# Altium PCB MyNixie.PcbDoc (part 1 of 2)
Units mm, origin at the board's own origin, x right, y up, seen from the top; angles counter-clockwise.
Board outline 180 x 70 mm, 2 copper layers (Top Layer, Bottom Layer); 216 components, 191 nets, 697 pads, 230 vias.
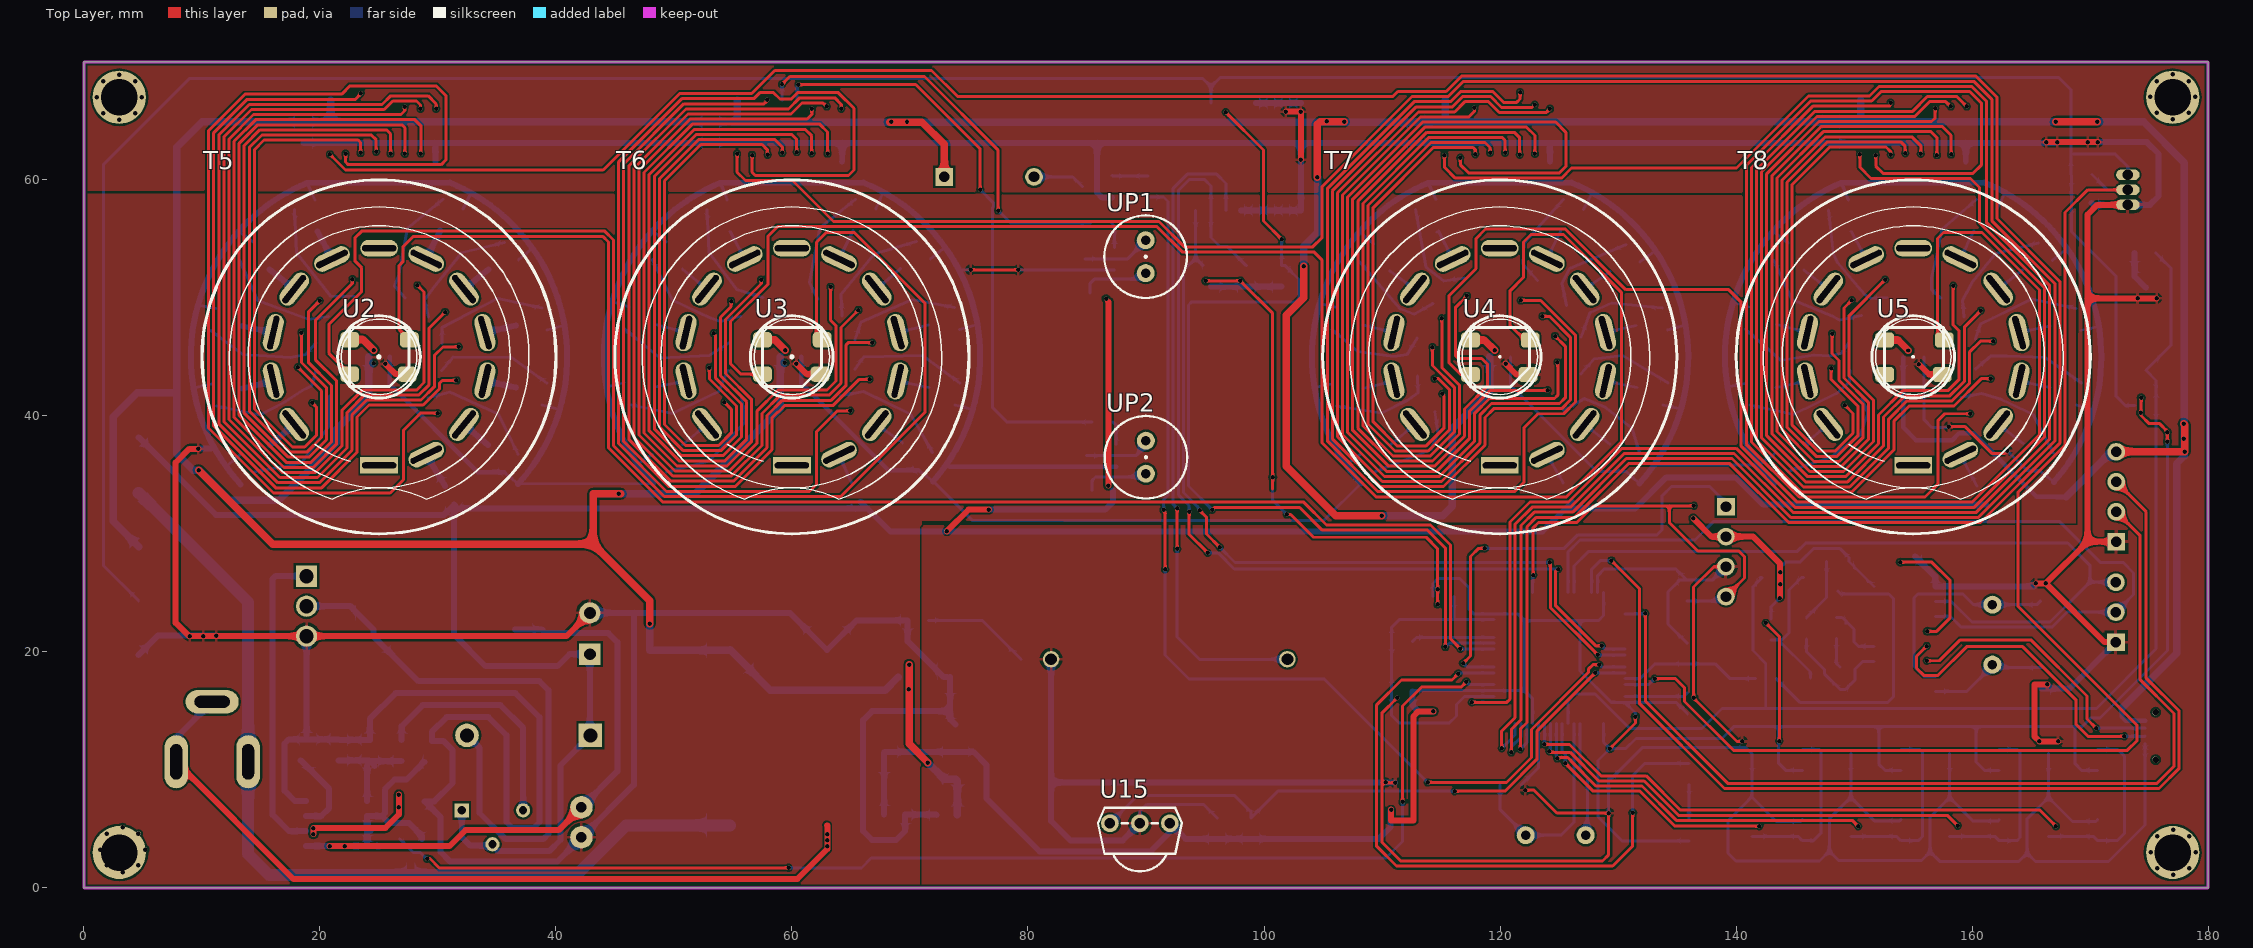
[diagram p0: Top Layer view]
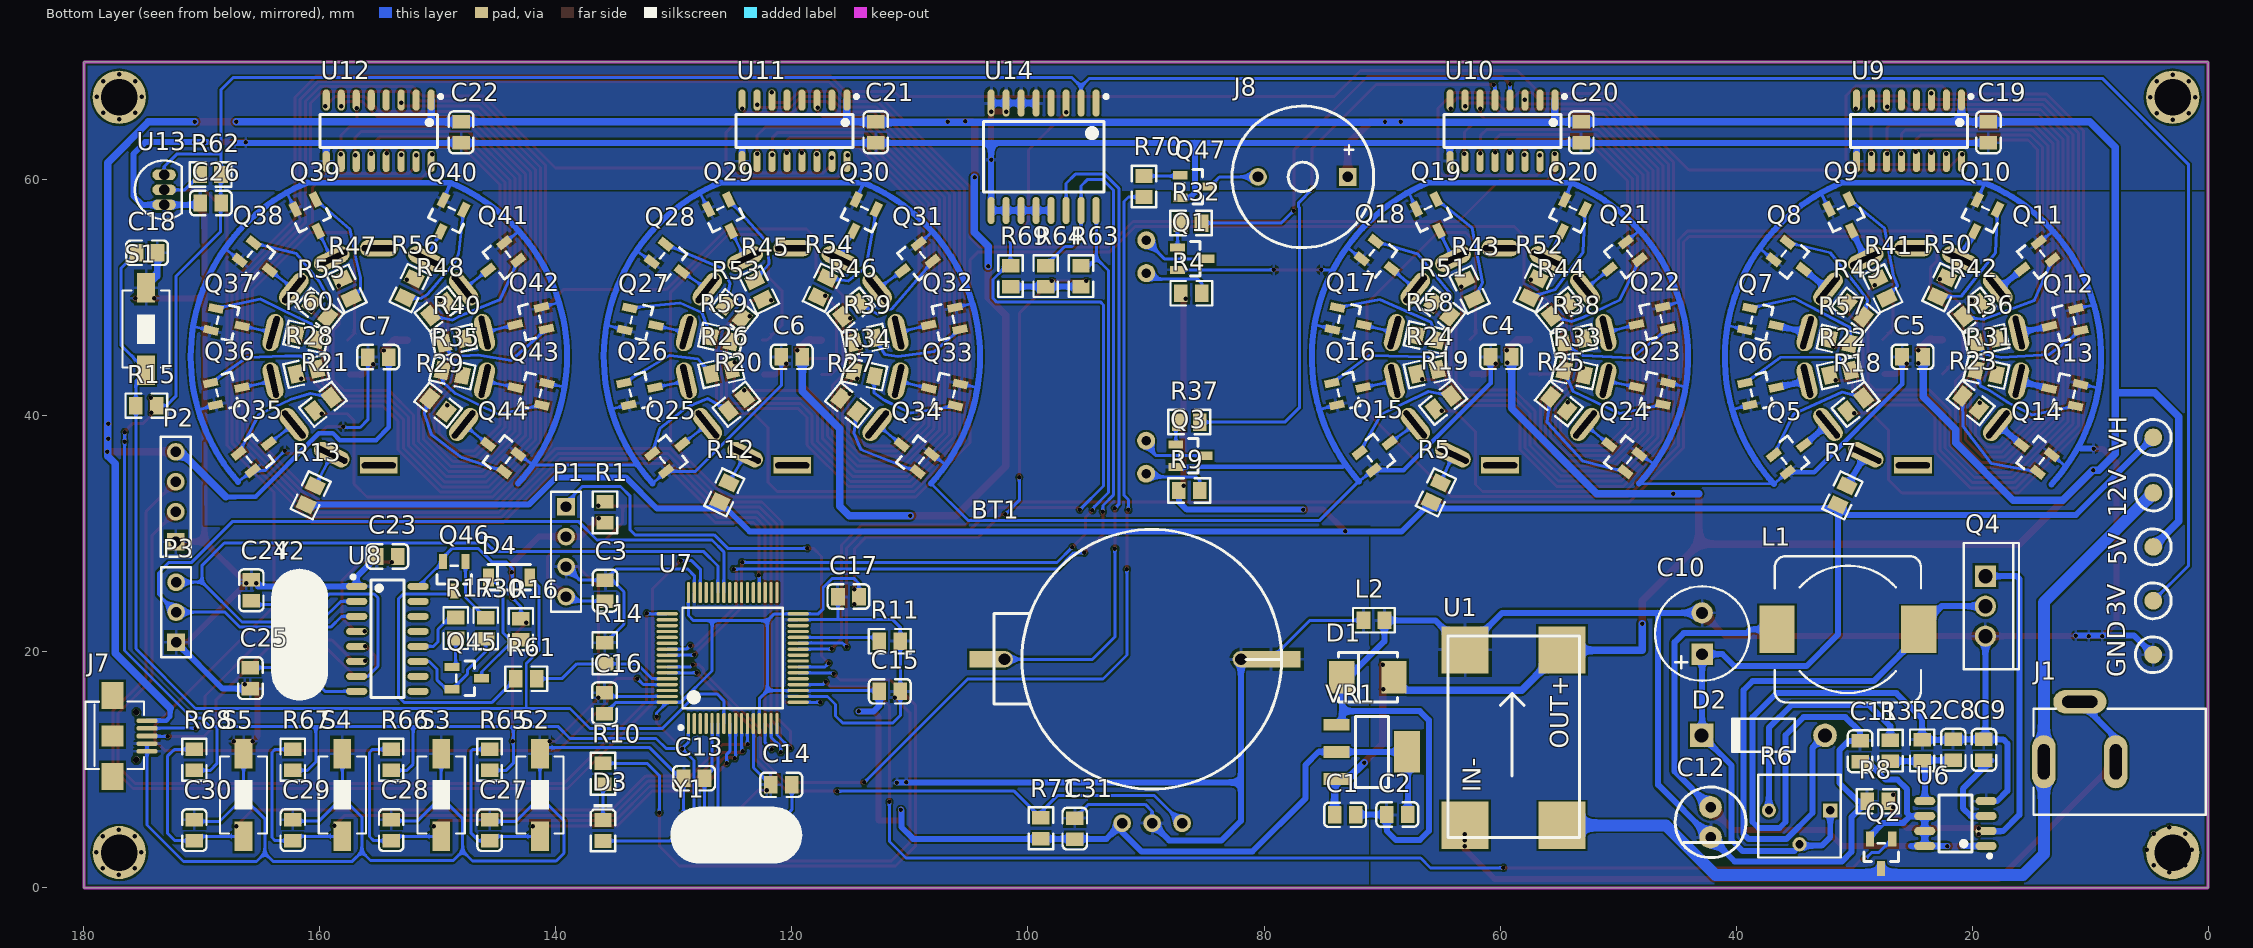
[diagram p1: Bottom Layer view, seen from below]
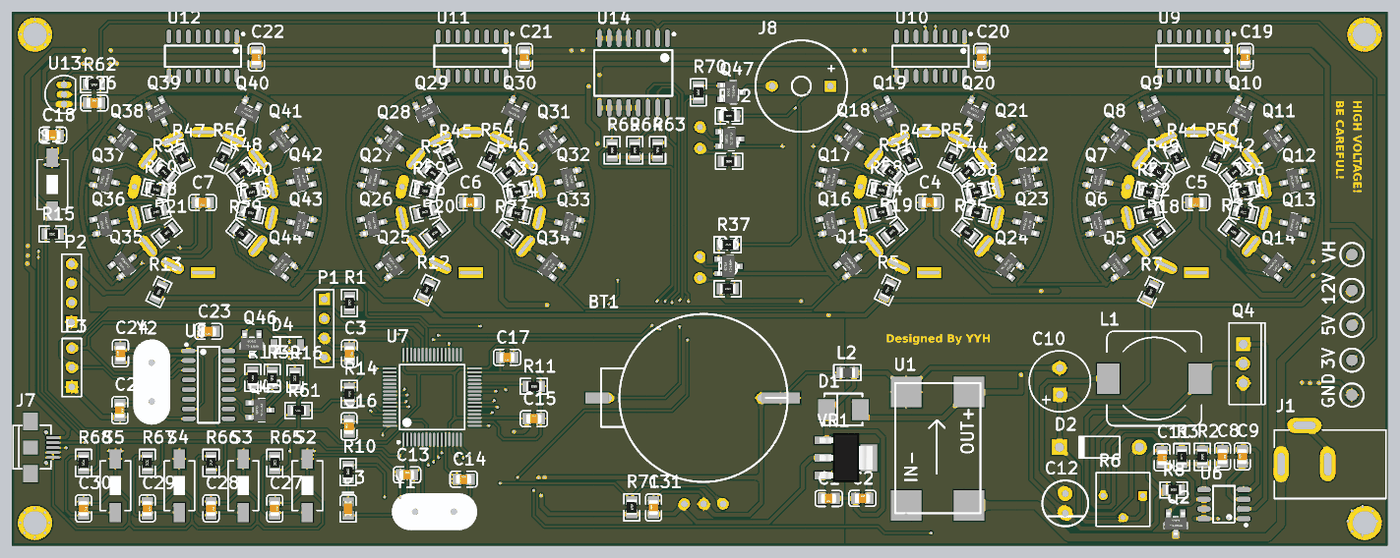
[diagram p3: 3D render of the assembled board from below, using the file's embedded part models]

## Layer stack, top to bottom
Top Solder: solder mask 0.0102, Solder Resist, Dk 3.5
Top Layer: signal copper 0.0356
Dielectric 1: dielectric 0.32, FR-4, Dk 4.8
Bottom Layer: signal copper 0.0356
Bottom Solder: solder mask 0.0102, Solder Resist, Dk 3.5

## Board outline
0,0 0,70 180,70 180,0

## Design rules (kind name [scope] priority, off if disabled: settings)
Clearance [All] p1: gap=0.178
ComponentClearance [All] p1: gap=0 collisioncheckmode=3 verticalgap=0 showdistances=FALSE
Height [All] p1: minheight=0 maxheight=127 prefheight=12.7
PolygonConnect [All] p1: connectstyle=Relief reliefconductorwidth=0.254 reliefentries=4 polygonreliefangle="90 Angle" airgapwidth=0.254
RoutingVias [All] p1: holewidth=0.711 width=1.27 viastyle="Through Hole" minholewidth=0.711 minwidth=1.27 maxholewidth=0.711 maxwidth=1.27
SolderMaskExpansion [All] p1: expansion=0.102
Width [All] p1: maxlimit=2.54 minlimit=0.254 preferedwidth=0.254
28 further rules are at their usual default settings.

## Classes and differential pairs
component class MyNixie: 3V 5V 12V BT1 C1 C2 C3 C4 C5 C6 C7 C8 C9 C10 C11 C12 C13 C14 C15 C16 C17 C18 C19 C20 C21 C22 C23 C24 C25 C26 C27 C28 C29 C30 C31 D1 D2 D3 D4 GND J1 J7 J8 L1 L2 P1 P2 P3 Q1 Q2 Q3 Q4 Q5 Q6 Q7 Q8 Q9 Q10 Q11 Q12 Q13 Q14 Q15 Q16 Q17 Q18 Q19 Q20 Q21 Q22 Q23 Q24 Q25 Q26 Q27 Q28 Q29 Q30 Q31 Q32 Q33 Q34 Q35 Q36 Q37 Q38 Q39 Q40 Q41 Q42 Q43 Q44 Q45 Q46 Q47 R1 R2 R3 R4 R5 R6 R7 R8 R9 R10 R11 R12 R13 R14 R15 R16 R17 R18 R19 R20 R21 R22 R23 R24 R25 R26 R27 R28 R29 R30 R31 R32 R33 R34 R35 R36 R37 R38 R39 R40 R41 R42 R43 R44 R45 R46 R47 R48 R49 R50 R51 R52 R53 R54 R55 R56 R57 R58 R59 R60 R61 R62 R63 R64 R65 R66 R67 R68 R69 R70 R71 S1 S2 S3 S4 S5 T2 T3 T4 T5 T6 T7 T8 U1 U2 U3 U4 U5 U6 U7 U8 U9 U10 U11 U12 U13 U14 U15 UP1 UP2 VH VR1 Y1 Y2 ""

## Components (designator, comment, footprint, x,y, rotation, side; value= is the part's Value field where it differs from the comment)
3V "CHECK" CHECK-B 4.648,24.333 r270 bottom (schematic designator J5)
5V "CHECK" CHECK-B 4.648,28.905 r270 bottom (schematic designator J4)
12V "CHECK" CHECK-B 4.648,33.477 r270 bottom (schematic designator J3)
BT1 "Battery" CR2032 101.956,19.38 r180 bottom
C1 "100nF(104) 10% 50V" LC-0805_C 73.127,6.198 r0 bottom
C2 "100nF(104) 10% 50V" LC-0805_C 68.707,6.223 r180 bottom
C3 "100nF(104) 10% 50V" LC-0805_C 135.839,25.189 r270 bottom
C4 "100nF(104) 10% 50V" LC-0805_C 59.919,45.009 r0 bottom
C5 "100nF(104) 10% 50V" LC-0805_C 25.044,45.009 r0 bottom
C6 "100nF(104) 10% 50V" LC-0805_C 120.015,45.009 r0 bottom
C7 "100nF(104) 10% 50V" LC-0805_C 155.052,44.983 r0 bottom
C8 "100nF(104) 10% 50V" LC-0805_C 21.59,11.709 r270 bottom
C9 "1nF (102) 10% 50V" LC-0805_C 18.999,11.709 r90 bottom
C10 "Cap Pol1" C-RB-8 42.875,19.812 r90 bottom
C11 "100nF(104) 10% 50V" LC-0805_C 29.489,11.582 r270 bottom
C12 "Cap Pol1" C-RB-6 42.113,4.318 r90 bottom
C13 "20pF (200) 5% 50V" LC-0805_C 128.295,9.296 r180 bottom
C14 "20pF (200) 5% 50V" LC-0805_C 120.904,8.738 r180 bottom
C15 "100nF(104) 10% 50V" LC-0805_C 111.709,16.662 r180 bottom
C16 "100nF(104) 10% 50V" LC-0805_C 135.89,15.646 r90 bottom
C17 "100nF(104) 10% 50V" LC-0805_C 115.214,24.689 r0 bottom
C18 "100nF(104) 10% 50V" LC-0805_C 174.65,53.823 r0 bottom
C19 "100nF(104) 10% 50V" LC-0805_C 18.618,64.033 r270 bottom
C20 "100nF(104) 10% 50V" LC-0805_C 53.111,64.033 r270 bottom
C21 "100nF(104) 10% 50V" LC-0805_C 112.903,64.033 r270 bottom
C22 "100nF(104) 10% 50V" LC-0805_C 148.031,64.033 r270 bottom
C23 "100nF(104) 10% 50V" LC-0805_C 154.28,28.092 r0 bottom
C24 "20pF (200) 5% 50V" LC-0805_C 165.811,25.222 r90 bottom
C25 "20pF (200) 5% 50V" LC-0805_C 165.887,17.78 r270 bottom
C26 "100nF(104) 10% 50V" LC-0805_C 169.24,58.039 r180 bottom
C27 "100nF(104) 10% 50V" LC-0805_C 145.618,4.898 r270 bottom
C28 "100nF(104) 10% 50V" LC-0805_C 153.958,4.898 r270 bottom
C29 "100nF(104) 10% 50V" LC-0805_C 162.298,4.898 r270 bottom
C30 "100nF(104) 10% 50V" LC-0805_C 170.637,4.898 r270 bottom
C31 "22uF (226) 20% 25V" LC-0805_C 96.037,5.029 r90 bottom
D1 "P6SMB6.8CA" LC-SMB(DO-214AA)_S1 71.196,17.856 r180 bottom
D2 "UF4007" DO-41 37.694,12.929 r0 bottom
D3 "黄灯 0805" LC-0805_LED_S1 136.017,4.877 r270 bottom
D4 "LL4148 LL-34 1206" LC-LL-34 143.967,26.314 r180 bottom
Designator3 "Comment" Flower 56.007,87.376 r0 top
Designator4 "Comment" Flower 74.041,84.836 r0 top
Designator5 "Comment" Flower 84.709,85.09 r0 top
Designator7 "Comment" Flower 109.347,89.408 r0 top
Designator8 "Comment" Flower 77.724,90.17 r0 top
Designator9 "Comment" Flower 85.344,94.742 r0 top
Designator10 "Comment" Flower 94.361,81.407 r0 top
Designator11 "Comment" Flower 92.456,82.55 r0 top
Designator12 "Comment" Flower 98.679,83.312 r0 top
Designator14 "Comment" Flower 81.788,96.52 r0 top
Designator15 "Comment" Flower 125.857,100.203 r0 top
Designator16 "Comment" Flower 230.251,97.028 r0 top
Designator17 "Comment" Flower 46.228,-10.287 r0 top
Designator18 "Comment" Flower 46.609,-10.033 r0 top
Designator22 "Comment" Flower 54.737,90.297 r0 top
Designator24 "Comment" Flower 104.648,83.947 r0 top
GND "CHECK" CHECK-B 4.648,19.761 r270 bottom (schematic designator J6)
J1 "PWRCON" DC-005 14.808,10.693 r180 bottom
J7 "USB_M" USB_MICRO 176.301,15.418 r270 bottom
J8 "BEEP" BEEP 76.708,60.249 r0 bottom
L1 "Inductor Iron" L-SMD-12 30.531,21.92 r180 bottom
L2 "100uH ±10%" LC-0805_L 70.688,22.682 r0 bottom
P1 "MetalKey" HDR4X1_A 139.141,32.309 r270 bottom
P2 "Header 4" HDR4X1_A 172.212,29.337 r90 bottom
P3 "Header 3" HDR3X1_A 172.187,20.828 r90 bottom
Q1 "A42" LC-SOT-23(SOT-23-3) 86.081,53.315 r0 bottom
Q2 "A42" LC-SOT-23(SOT-23-3) 27.711,2.896 r90 bottom
Q3 "A42" LC-SOT-23(SOT-23-3) 86.228,36.627 r0 bottom
Q4 "IRF740" TO-220AB 18.872,23.876 r270 bottom
Q5 "A42" LC-SOT-23(SOT-23-3) 35.23,36.754 r321.43 bottom
Q6 "A42" LC-SOT-23(SOT-23-3) 37.821,42.139 r347.14 bottom
Q7 "A42" LC-SOT-23(SOT-23-3) 37.821,47.93 r12.86 bottom
Q8 "A42" LC-SOT-23(SOT-23-3) 35.255,53.188 r38.57 bottom
Q9 "A42" LC-SOT-23(SOT-23-3) 30.734,56.82 r64.28 bottom
Q10 "A42" LC-SOT-23(SOT-23-3) 19.253,56.769 r115.71 bottom
Q11 "A42" LC-SOT-23(SOT-23-3) 14.757,53.188 r141.43 bottom
Q12 "A42" LC-SOT-23(SOT-23-3) 12.217,47.879 r167.14 bottom
Q13 "A42" LC-SOT-23(SOT-23-3) 12.243,42.037 r192.85 bottom
Q14 "A42" LC-SOT-23(SOT-23-3) 14.808,36.754 r218.57 bottom
Q15 "A42" LC-SOT-23(SOT-23-3) 70.333,36.932 r321.43 bottom
Q16 "A42" LC-SOT-23(SOT-23-3) 72.822,42.139 r347.14 bottom
Q17 "A42" LC-SOT-23(SOT-23-3) 72.771,47.981 r12.86 bottom
Q18 "A42" LC-SOT-23(SOT-23-3) 70.155,53.264 r38.57 bottom
Q19 "A42" LC-SOT-23(SOT-23-3) 65.71,56.82 r64.28 bottom
Q20 "A42" LC-SOT-23(SOT-23-3) 54.204,56.769 r115.71 bottom
Q21 "A42" LC-SOT-23(SOT-23-3) 49.733,53.213 r141.43 bottom
Q22 "A42" LC-SOT-23(SOT-23-3) 47.219,48.031 r167.14 bottom
Q23 "A42" LC-SOT-23(SOT-23-3) 47.193,42.164 r192.85 bottom
Q24 "A42" LC-SOT-23(SOT-23-3) 49.759,36.779 r218.57 bottom
Q25 "A42" LC-SOT-23(SOT-23-3) 130.277,36.83 r321.43 bottom
Q26 "A42" LC-SOT-23(SOT-23-3) 132.817,42.139 r347.14 bottom
Q27 "A42" LC-SOT-23(SOT-23-3) 132.74,47.93 r12.86 bottom
Q28 "A42" LC-SOT-23(SOT-23-3) 130.302,53.01 r38.57 bottom
Q29 "A42" LC-SOT-23(SOT-23-3) 125.679,56.794 r64.28 bottom
Q30 "A42" LC-SOT-23(SOT-23-3) 114.249,56.794 r115.71 bottom
Q31 "A42" LC-SOT-23(SOT-23-3) 109.652,53.061 r141.43 bottom
Q32 "A42" LC-SOT-23(SOT-23-3) 107.188,47.981 r167.14 bottom
Q33 "A42" LC-SOT-23(SOT-23-3) 107.163,42.062 r192.85 bottom
Q34 "A42" LC-SOT-23(SOT-23-3) 109.728,36.779 r218.57 bottom
Q35 "A42" LC-SOT-23(SOT-23-3) 165.314,36.881 r321.43 bottom
Q36 "A42" LC-SOT-23(SOT-23-3) 167.828,42.139 r347.14 bottom
Q37 "A42" LC-SOT-23(SOT-23-3) 167.803,47.904 r12.86 bottom
Q38 "A42" LC-SOT-23(SOT-23-3) 165.227,53.137 r38.57 bottom
Q39 "A42" LC-SOT-23(SOT-23-3) 160.691,56.794 r64.28 bottom
Q40 "A42" LC-SOT-23(SOT-23-3) 149.21,56.744 r115.71 bottom
Q41 "A42" LC-SOT-23(SOT-23-3) 144.765,53.137 r141.43 bottom
Q42 "A42" LC-SOT-23(SOT-23-3) 142.225,48.006 r167.14 bottom
Q43 "A42" LC-SOT-23(SOT-23-3) 142.2,42.113 r192.85 bottom
Q44 "A42" LC-SOT-23(SOT-23-3) 144.765,36.805 r218.57 bottom
Q45 "A42" LC-SOT-23(SOT-23-3) 147.549,17.78 r0 bottom
Q46 "SS8550 Y2" LC-SOT-23(SOT-23-3) 148.615,26.416 r90 bottom
Q47 "A42" LC-SOT-23(SOT-23-3) 85.852,59.436 r0 bottom
R1 "10KΩ (1002) ±1%" LC-0805_R 135.839,31.826 r90 bottom
R2 "2KΩ (2001) ±1%" LC-0805_R 24.232,11.659 r270 bottom
R3 "270KΩ (2703) ±1%" LC-0805_R 26.924,11.633 r90 bottom
R4 "240KΩ (2403) ±1%" LC-0805_R 86.157,50.394 r0 bottom
R5 "20KΩ (2002) ±1%" LC-0805_R 65.43,33.528 r295.71 bottom
R6 "RES-RPot" VR_B1 34.62,6.579 r0 bottom
R7 "20KΩ (2002) ±1%" LC-0805_R 30.988,33.274 r295.71 bottom
R8 "330Ω (3300) ±1%" LC-0805_R 27.991,7.341 r180 bottom
R9 "240KΩ (2403) ±1%" LC-0805_R 86.335,33.68 r0 bottom
R10 "1KΩ (1001) ±1%" LC-0805_R 136.017,9.677 r90 bottom
R11 "10KΩ (1002) ±1%" LC-0805_R 111.709,20.904 r0 bottom
R12 "20KΩ (2002) ±1%" LC-0805_R 125.73,33.528 r295.71 bottom
R13 "20KΩ (2002) ±1%" LC-0805_R 160.782,33.274 r295.71 bottom
R14 "10KΩ (1002) ±1%" LC-0805_R 135.865,19.888 r270 bottom
R15 "10KΩ (1002) ±1%" LC-0805_R 174.701,40.869 r0 bottom
R16 "10KΩ (1002) ±1%" LC-0805_R 142.977,21.92 r90 bottom
R17 "1KΩ (1001) ±1%" LC-0805_R 148.488,22.022 r270 bottom
R18 "33KΩ (3302) ±1%" LC-0805_R 29.87,40.97 r141.43 bottom
R19 "33KΩ (3302) ±1%" LC-0805_R 64.821,41.148 r141.43 bottom
R20 "33KΩ (3302) ±1%" LC-0805_R 124.689,40.996 r321.43 bottom
R21 "33KΩ (3302) ±1%" LC-0805_R 159.741,40.996 r141.43 bottom
R22 "33KΩ (3302) ±1%" LC-0805_R 31.191,43.663 r347.14 bottom
R23 "33KΩ (3302) ±1%" LC-0805_R 20.117,41.123 r38.57 bottom
R24 "33KΩ (3302) ±1%" LC-0805_R 66.192,43.739 r347.14 bottom
R25 "33KΩ (3302) ±1%" LC-0805_R 55.016,41.046 r38.57 bottom
R26 "33KΩ (3302) ±1%" LC-0805_R 125.984,43.739 r167.14 bottom
R27 "33KΩ (3302) ±1%" LC-0805_R 115.164,40.945 r218.57 bottom
R28 "33KΩ (3302) ±1%" LC-0805_R 161.138,43.764 r347.14 bottom
R29 "33KΩ (3302) ±1%" LC-0805_R 149.987,40.919 r38.57 bottom
R30 "1KΩ (1001) ±1%" LC-0805_R 145.948,21.996 r90 bottom
R31 "33KΩ (3302) ±1%" LC-0805_R 18.796,43.688 r12.85 bottom
R32 "33KΩ (3302) ±1%" LC-0805_R 86.187,56.337 r180 bottom
R33 "33KΩ (3302) ±1%" LC-0805_R 53.696,43.663 r12.85 bottom
R34 "33KΩ (3302) ±1%" LC-0805_R 113.868,43.561 r192.85 bottom
R35 "33KΩ (3302) ±1%" LC-0805_R 148.768,43.637 r12.85 bottom
R36 "33KΩ (3302) ±1%" LC-0805_R 18.796,46.38 r347.14 bottom
R37 "33KΩ (3302) ±1%" LC-0805_R 86.335,39.472 r180 bottom
R38 "33KΩ (3302) ±1%" LC-0805_R 53.772,46.355 r347.14 bottom
R39 "33KΩ (3302) ±1%" LC-0805_R 113.843,46.406 r167.14 bottom
R40 "33KΩ (3302) ±1%" LC-0805_R 148.641,46.355 r347.14 bottom
R41 "33KΩ (3302) ±1%" LC-0805_R 27.61,50.8 r64.28 bottom
R42 "33KΩ (3302) ±1%" LC-0805_R 20.041,48.971 r321.43 bottom
R43 "33KΩ (3302) ±1%" LC-0805_R 62.586,50.698 r64.28 bottom
R44 "33KΩ (3302) ±1%" LC-0805_R 54.966,48.997 r321.43 bottom
R45 "33KΩ (3302) ±1%" LC-0805_R 122.784,50.673 r244.28 bottom
R46 "33KΩ (3302) ±1%" LC-0805_R 115.011,48.971 r141.43 bottom
R47 "33KΩ (3302) ±1%" LC-0805_R 157.734,50.775 r64.28 bottom
R48 "33KΩ (3302) ±1%" LC-0805_R 149.936,49.047 r321.43 bottom
R49 "33KΩ (3302) ±1%" LC-0805_R 29.896,48.946 r38.57 bottom
R50 "33KΩ (3302) ±1%" LC-0805_R 22.53,50.902 r295.71 bottom
R51 "33KΩ (3302) ±1%" LC-0805_R 64.948,49.022 r38.57 bottom
R52 "33KΩ (3302) ±1%" LC-0805_R 57.15,50.825 r295.71 bottom
R53 "33KΩ (3302) ±1%" LC-0805_R 124.917,48.819 r218.57 bottom
R54 "33KΩ (3302) ±1%" LC-0805_R 117.373,50.876 r115.71 bottom
R55 "33KΩ (3302) ±1%" LC-0805_R 160.02,48.946 r38.57 bottom
R56 "33KΩ (3302) ±1%" LC-0805_R 152.4,50.825 r295.71 bottom
R57 "33KΩ (3302) ±1%" LC-0805_R 31.217,46.33 r12.86 bottom
R58 "33KΩ (3302) ±1%" LC-0805_R 66.192,46.609 r12.86 bottom
R59 "33KΩ (3302) ±1%" LC-0805_R 126.009,46.507 r192.86 bottom
R60 "33KΩ (3302) ±1%" LC-0805_R 161.138,46.685 r12.86 bottom
R61 "1KΩ (1001) ±1%" LC-0805_R 142.519,17.729 r0 bottom
R62 "10KΩ (1002) ±1%" LC-0805_R 169.266,60.452 r0 bottom
R63 "10KΩ (1002) ±1%" LC-0805_R 95.509,51.841 r90 bottom
R64 "10KΩ (1002) ±1%" LC-0805_R 98.501,51.841 r90 bottom
R65 "10KΩ (1002) ±1%" LC-0805_R 145.618,10.861 r90 bottom
R66 "10KΩ (1002) ±1%" LC-0805_R 153.958,10.861 r90 bottom
R67 "10KΩ (1002) ±1%" LC-0805_R 162.298,10.861 r90 bottom
R68 "10KΩ (1002) ±1%" LC-0805_R 170.637,10.861 r90 bottom
R69 "10KΩ (1002) ±1%" LC-0805_R 101.473,51.841 r270 bottom
R70 "1KΩ (1001) ±1%" LC-0805_R 90.17,59.436 r90 bottom
R71 "10KΩ (1002) ±1%" LC-0805_R 98.908,5.055 r270 bottom
S1 "SW-PB" SW_PB2_A1 174.727,47.422 r0 bottom
S2 "SW-PB" SW_PB2_A1 141.351,7.823 r180 bottom
S3 "SW-PB" SW_PB2_A1 149.725,7.823 r180 bottom
S4 "SW-PB" SW_PB2_A1 158.098,7.823 r180 bottom
S5 "SW-PB" SW_PB2_A1 166.472,7.823 r180 bottom
T1 "M3铜柱螺丝孔" 螺丝孔-3MM#1 2.997,67.005 r0 top
T2 "M3铜柱螺丝孔" 螺丝孔-3MM#2 177.013,67.031 r0 top
T3 "M3铜柱螺丝孔" 螺丝孔-3MM#3 3.277,3.251 r0 top
T4 "M3铜柱螺丝孔" 螺丝孔-3MM#4 177.038,3.023 r0 top
T5 "QS30-1" QS30-1 25.019,45.009 r0 top
T6 "QS30-1" QS30-1 59.994,45.009 r0 top
T7 "QS30-1" QS30-1 119.976,45.009 r0 top
T8 "QS30-1" QS30-1 155.012,45.009 r0 top
U1 "MP1584 Module" "MP1584 MODULE" 50.444,-0.432 r90 bottom
U2 "WS2812-LED" WS2812 22.53,47.498 r0 top
U3 "WS2812-LED" WS2812 57.506,47.498 r0 top
U4 "WS2812-LED" WS2812 117.5,47.473 r0 top
U5 "WS2812-LED" WS2812 152.588,47.473 r0 top
U6 "MC34063A" LC-SOIC-8_150mil 21.412,5.461 r90 bottom
U7 "STM32F103RBT6" LC-LQFP-64_10x10x05P 125.019,19.482 r180 bottom
U8 "CH340G" LC-SOIC-16_150mil 154.28,21.107 r270 bottom
U9 "TM1812" LC-SOIC-16_150mil 25.349,64.16 r0 bottom
U10 "TM1812" LC-SOIC-16_150mil 59.792,64.16 r0 bottom
U11 "TM1812" LC-SOIC-16_150mil 119.786,64.16 r0 bottom
U12 "TM1812" LC-SOIC-16_150mil 155.016,64.16 r0 bottom
U13 "DS18B20" TO-92A 173.203,59.157 r180 bottom
U14 "DS3231M+TRL" LC-SOIC-16_300mil 98.679,61.96 r0 bottom
U15 "HX1838" HS0038B 89.484,5.486 r0 top
UP1 "Neon" NEON 89.972,51.079 r270 top
UP2 "Neon" NEON 89.992,34.087 r270 top
VH "CHECK" CHECK-B 4.648,38.176 r270 bottom (schematic designator J2)
VR1 "AMS1117-3.3" LC-SOT-223 70.866,11.532 r0 bottom
Y1 "XTAL" X-HC49U 124.714,4.47 r180 bottom
Y2 "XTAL" X-HC49U 161.722,21.463 r270 bottom

## Footprints (in the part's own frame and the unit in brackets; to place one, negate y for a bottom-side part, rotate by r counter-clockwise, add the part's x,y. Pads: shape width x height; smd on the part's side, far side on the other; paste and mask are expansions set on the pad)